# KiCad board NS32016-BC.kicad_pcb (continued)
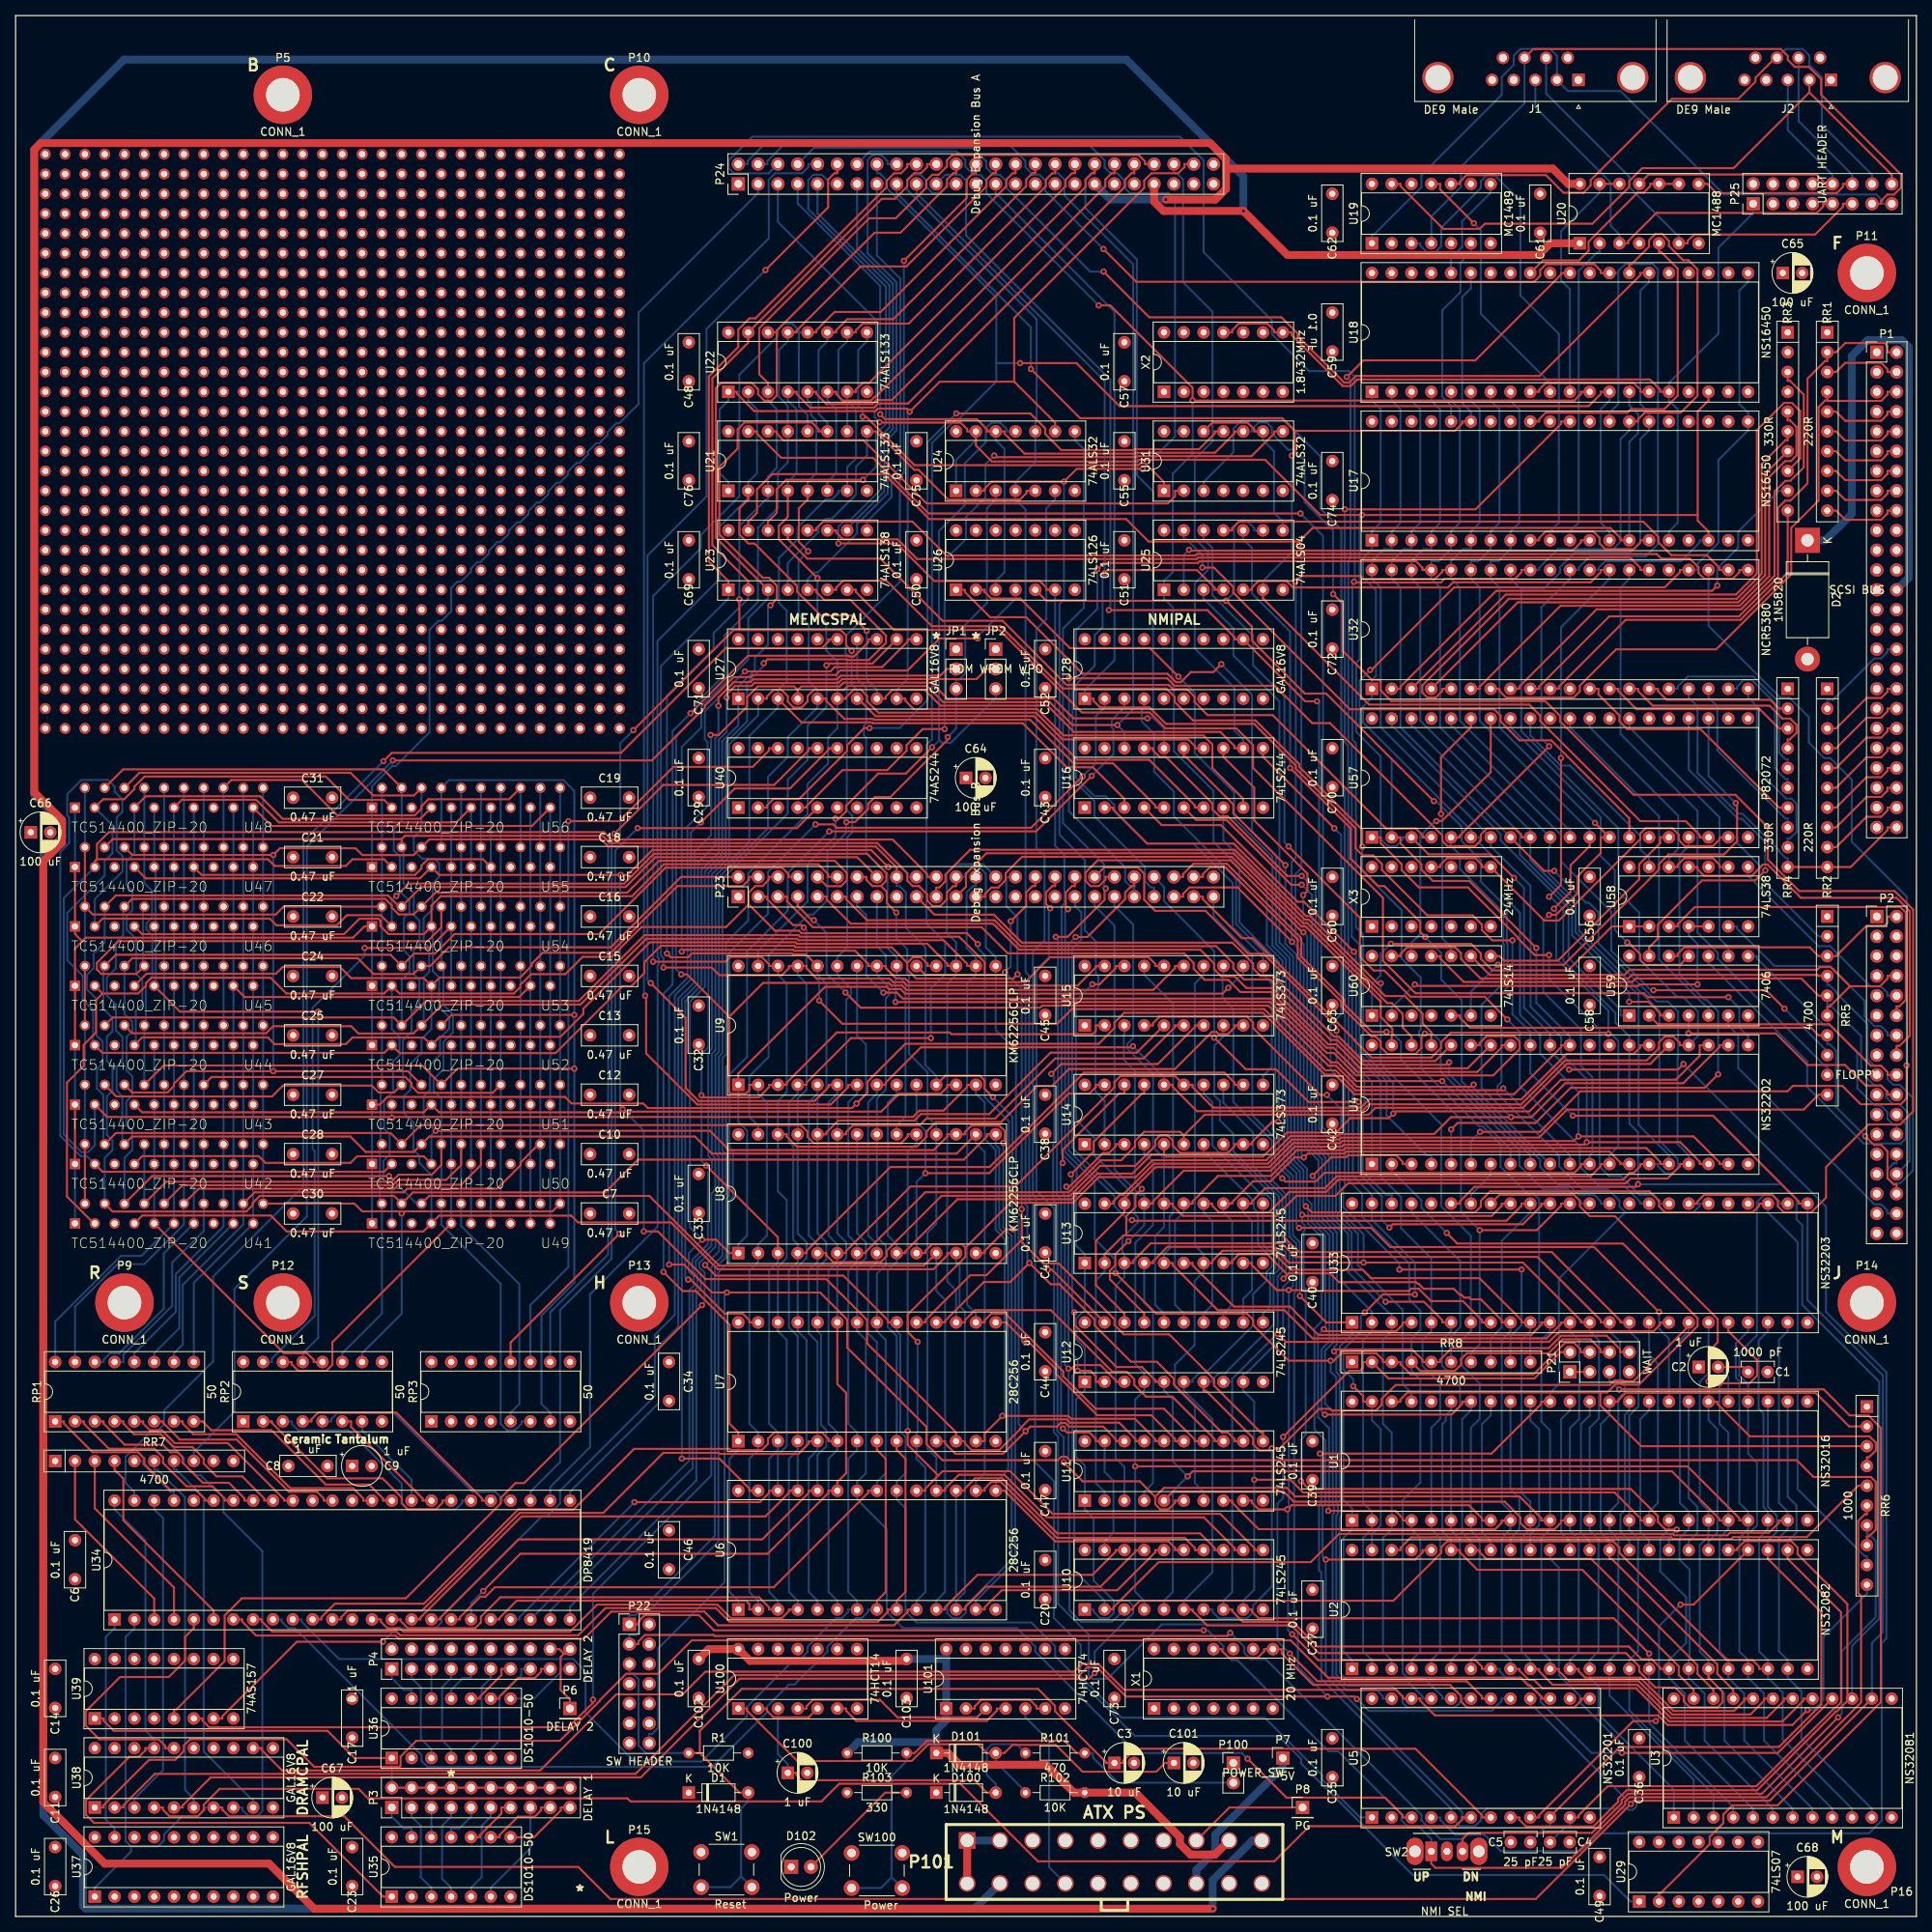
[diagram p0: board, top side]
## Routing (per net, layer and track width the routed paths; a pad name or vN(x,y) marks a point on that pad's centre or on a via; arc(x,y) is an arc through that point) (continued)
+adr<4>: length 437
  Top w0.25: U8.7 109.08,85.09 109.08,85.27 116.7,92.9 135.1,92.9 139.2,97 141.82,97 143.6,98.78 143.6,99.49 144.76,100.64 149.4,100.64 149.86,100.19 ; U14.6 149.86,100.19 ; 149.86,100.19 152.52,102.85 173.56,102.85 174.44,103.73 193.36,103.73 198.99,109.36 209.69,109.36 U4.25 ; v1(80.76,118.11) 80.88,117.99 80.88,110.71 87.44,104.15 104.58,104.15 106.82,106.4 106.82,106.68 U9.7
  Bottom w0.25: U34.10 36.69,38.1 36.69,37.82 41.48,33.02 71.52,33.02 73.12,31.42 73.12,26.16 79.41,19.87 88,19.87 93.84,25.71 93.84,26.9 99.81,32.87 100.54,32.87 101.6,33.93 101.6,34.62 105.23,38.24 105.98,38.24 106.82,39.09 106.82,39.37 U6.7 107.95,40.5 106.82,41.62 106.82,58.71 107.95,59.83 U7.7 107.95,62.09 106.82,63.21 106.82,82.84 107.95,83.96 U8.7 107.95,86.22 106.82,87.34 106.82,104.43 107.95,105.55 U9.7 ; P24.10 101.69,224.79 101.69,224.42 100.89,223.61 97.45,223.61 96.61,222.78 96.61,215.25 80.61,199.25 80.61,118.27 v1(80.76,118.11)
+adr<5>: length 420.1
  Top w0.25: U34.11 39.23,38.1 39.23,38.38 40.96,40.11 52.38,40.11 64.48,52.21 71.59,52.21 79.35,59.97 91.61,59.97 91.75,59.83 95.71,59.83 96.52,60.63 96.52,61.29 97.32,62.09 103.44,62.09 104.28,61.24 104.28,60.96 U7.6 ; U8.6 106.54,85.09 106.54,85.37 114.81,93.64 128.26,93.64 140.97,106.35 140.97,107.04 141.74,107.81 148.73,107.81 U14.15 150.99,106.68 150.99,106.4 153.63,103.75 172.58,103.75 173.65,104.82 193.16,104.82 198.97,110.63 207.58,110.63 208.42,111.48 208.42,111.76 U4.26 ; P24.12 105.41,223.61 105.04,223.61 104.23,222.81 104.23,219.24 v1(96.19,211.2) ; U9.6 104.28,106.68 104.28,106.4 102.49,104.6 87.63,104.6 85.95,106.28 85.95,115.25 v1(81.48,119.73)
  Bottom w0.25: U9.6 105.41,105.55 104.27,104.42 104.27,87.35 105.41,86.22 U8.6 105.41,83.96 104.28,82.84 104.28,63.21 105.41,62.09 U7.6 105.41,59.83 104.28,58.71 104.28,41.62 105.41,40.5 U6.6 ; v1(81.48,119.73) 81.06,120.15 81.06,174.58 88.64,182.16 88.64,203.64 v1(96.19,211.2)
+adr<6>: length 424
  Top w0.25: v1(161.98,101.94) 161.21,101.94 158.61,99.34 158.61,99.06 U14.9 156.35,99.06 156.35,98.78 155.51,97.93 149.39,97.93 148.45,98.88 148.45,99.53 147.79,100.19 146.81,100.19 146.19,99.57 146.19,98.85 143.63,96.28 141.5,96.28 139.12,96.28 135.28,92.45 118.79,92.45 111.76,85.42 111.76,84.7 110.99,83.93 104.87,83.93 104,84.81 104,85.09 U8.5 ; U34.12 41.77,38.1 41.77,38.38 42.61,39.23 52.13,39.23 64.67,51.76 75.38,51.76 83.08,59.46 90.19,59.46 90.32,59.33 100.4,59.33 101.74,60.68 101.74,60.96 U7.5 ; v1(138.94,206.66) 140.42,206.66 150.99,196.1 v1(150.99,194.47) 151,194.45 199.96,194.45 200.8,195.3 200.8,195.58 U18.12
  Bottom w0.25: P24.14 109.59,226.43 120.72,226.43 121.83,225.32 121.83,224.49 122.89,223.43 123.72,223.43 124.54,222.6 124.54,221.06 v1(138.94,206.66) ; U9.5 102.87,105.55 101.74,104.43 101.74,87.34 102.87,86.22 U8.5 102.87,83.96 101.74,82.84 101.74,74.79 102.87,73.66 U7.5 102.87,59.83 101.74,58.71 101.74,41.62 102.87,40.5 U6.5 ; v1(161.98,101.94) 162.06,102.02 162.06,122.43 157.01,127.48 157.01,134.5 153.67,137.84 153.67,144.38 148.59,149.46 148.59,157.79 148.39,157.99 148.39,162.66 148.45,162.72 148.45,167.92 147.32,169.05 U25.1 147.32,171.31 148.45,172.43 148.45,185.09 150.99,187.63 v1(150.99,194.47)
+adr<7>: length 442
  Top w0.25: U34.14 46.85,38.1 46.85,37.82 47.69,36.97 49.28,36.97 49.74,36.52 71.13,36.52 74.61,40 90.02,40 91.78,38.24 98.28,38.24 99.2,39.17 99.2,39.37 U6.4 ; v1(128.86,199.26) 136.09,199.26 141.61,193.74 201.79,193.74 203.34,195.3 203.34,195.58 U18.13 ; U9.4 101.46,106.68 101.46,106.96 107.16,112.67 v1(117.41,112.67) ; U14.12 156.35,106.68 156.35,106.96 155.06,108.26 137.06,108.26 124.94,96.13 112.22,96.13 101.46,85.37 101.46,85.09 U8.4
  Bottom w0.25: U17.13 204.47,177.66 203.34,178.78 203.34,193.33 204.47,194.45 U18.13 ; 125.81,199.26 v1(128.86,199.26) ; 125.81,199.26 125.81,196.91 120.98,192.08 120.63,192.08 117.55,189 117.55,150.98 116.85,150.28 116.85,127.38 119.24,124.99 119.24,120.85 117.41,119.02 v1(117.41,112.67) ; 125.81,199.26 125.81,207.66 111.67,221.8 111.67,222.81 110.86,223.61 110.49,223.61 P24.16 ; U9.4 100.33,105.55 99.2,104.42 99.2,99.38 99.76,98.81 99.76,86.78 100.33,86.22 U8.4 100.33,83.96 99.2,82.84 99.2,75.57 100.33,74.44 U7.4 100.33,59.83 99.2,58.71 99.2,41.62 100.33,40.5 U6.4
+adr<8>: length 337
  Top w0.25: U23.5 102.73,170.18 102.73,169.9 103.76,168.87 107.11,168.87 111.65,164.32 111.65,163.38 109.44,161.17 106.68,161.17 106.59,161.26 96.47,161.26 v1(95.97,160.76) ; v1(87.98,105.34) 88.26,105.06 95.33,105.06 96.66,106.4 96.66,106.68 U9.3 98.92,106.68 98.92,106.96 105.35,113.39 119.82,113.39 120.04,113.17 138.15,113.17 138.57,113.6 138.57,114.3 U15.2 ; U6.3 96.66,39.37 96.66,39.65 95.37,40.95 62.19,40.95 59.69,38.45 59.69,37.71 58.95,36.97 50.32,36.97 49.39,37.91 49.39,38.1 U34.15 ; U8.3 97.79,87.12 v1(88.59,96.33)
  Bottom w0.25: v1(88.59,96.33) 87.98,96.93 v1(87.98,105.34) 87.98,110.6 88.88,111.5 88.88,133.87 91.1,136.08 91.1,150.57 93.84,153.31 93.84,158.28 95.97,160.42 v1(95.97,160.76) ; U8.3 97.79,83.96 96.66,82.84 96.66,63.21 97.79,62.09 U7.3 97.79,59.83 96.66,58.71 96.66,41.62 97.79,40.5 U6.3 ; U23.5 101.6,171.54 102.46,172.4 102.91,172.4 107.95,177.44 107.95,178.62 111.88,182.55 111.88,189.5 113,190.62 113,209.63 109.3,213.32 109.3,225.31 109.97,225.97 111.04,225.97 111.85,225.16 111.85,224.79 P24.18
+adr<9>: length 307.3
  Top w0.25: P24.20 114.39,224.79 114.39,224.42 113.59,223.61 112.69,223.61 111.76,222.68 111.76,221.86 94.91,205 94.14,205 92.71,203.57 92.71,201.33 88.93,197.55 88.93,173.81 91.44,171.31 U23.1 ; v1(83.11,121.72) 89.31,121.72 90.29,120.75 98.31,120.75 99.2,121.64 99.2,121.92 U9.25 101.46,121.92 101.46,121.64 102.79,120.3 112.12,120.3 112.56,119.86 113.92,119.86 114.37,119.4 136.23,119.4 138.57,121.74 138.57,121.92 U15.19 ; U6.25 99.2,54.61 99.2,54.33 96.19,51.31 64.91,51.31 51.93,38.33 51.93,38.1 U34.16
  Bottom w0.25: U6.25 100.33,59.2 101.46,60.33 101.46,73.94 100.33,75.07 U7.25 100.33,83.33 101.46,84.46 101.46,86.49 100.33,87.63 U8.25 100.33,104.92 101.46,106.05 101.46,119.66 100.33,120.79 U9.25 ; U23.1 91.44,169.05 82.78,160.4 82.78,123.27 83.11,122.95 v1(83.11,121.72)
+adr<10>: length 319.1
  Top w0.25: U15.5 143.82,110.8 132.77,110.8 124.89,102.92 116.12,102.92 115.29,102.09 105.52,102.09 104,100.56 104,100.33 U8.24 ; U34.17 54.47,38.1 54.47,38.3 64.53,48.37 95.78,48.37 101.74,54.33 101.74,54.61 U6.24 ; U23.2 93.98,171.31 89.38,175.9 89.38,197.29 93.98,201.88 U22.15 111.12,220.34 112.8,220.34 114.39,221.93 114.39,222.75 115.26,223.61 116.13,223.61 116.93,224.42 116.93,224.79 P24.22 ; v1(83.55,123.52) 84.04,123.04 86.28,123.04 86.79,123.55 99.57,123.55 99.69,123.42 101.37,123.42 U9.24
  Bottom w0.25: U23.2 93.98,169.05 89.55,164.62 89.55,162.62 83.55,156.63 v1(83.55,123.52) ; U9.24 102.87,120.79 104.02,119.65 104.02,106.07 102.87,104.92 U8.24 102.87,87.63 104,86.5 104,84.27 102.87,83.15 U7.24 102.87,75.07 103.32,74.62 103.32,63.04 104,62.36 104,60.33 102.87,59.2 U6.24
+adr<11>: length 330
  Top w0.25: U23.3 89.83,176.87 89.83,196.07 90.49,196.72 94.44,196.72 95.25,195.91 95.25,195.25 96.05,194.45 96.99,194.45 97.65,195.1 97.65,203.2 ; U6.21 109.36,54.61 109.36,54.33 97.26,42.22 61.49,42.22 60.29,41.02 59.64,41.02 57.01,38.38 57.01,38.1 U34.18 ; P24.24 120.65,223.61 120.28,223.61 119.47,222.81 119.47,221.95 113.52,215.99 110.21,215.99 97.65,203.43 97.65,203.2 ; v1(85.46,123.77) 85.69,124 99.75,124 99.87,123.88 107.69,123.88 109.36,122.2 109.36,121.92 U9.21 111.62,121.92 111.62,121.7 113.01,120.31 114.1,120.31 114.56,119.85 129.53,119.85 132.72,123.05 145.35,123.05 146.19,122.2 146.19,121.92 U15.16 ; U22.14 97.65,203.2
  Bottom w0.25: U6.21 110.49,55.74 111.62,56.86 111.62,73.95 110.49,75.07 U7.21 110.49,82.47 111.63,83.61 111.63,86.04 110.49,87.18 U8.21 110.49,104.92 111.62,106.05 111.62,117.78 112.04,118.2 112.04,119.24 110.49,120.79 U9.21 ; v1(85.46,123.77) 85.46,150.01 87.96,152.52 87.96,155.21 93.98,161.23 93.98,166.51 96.52,169.05 U23.3
+adr<12>: length 346
  Top w0.25: P24.26 123.19,223.61 122.82,223.61 122.01,222.81 122.01,220.45 v1(113.95,212.39) ; U15.6 148.73,114.3 148.73,114.1 144.7,110.06 133.36,110.06 125.66,102.36 116.83,102.36 115.93,101.46 107.38,101.46 106.54,100.61 106.54,100.33 U8.23 ; v1(59.99,41.75) 64.76,46.52 96.48,46.52 104.28,54.33 104.28,54.61 U6.23 105.41,55.74 106.54,56.86 106.54,67.17 105.41,68.3 U7.23 ; U21.14 97.65,190.5 97.65,190.22 98.49,189.37 108.75,189.37 v1(113.43,184.69) 116.87,181.25 147.81,181.25 148.73,182.18 148.73,182.88 U31.2
  Bottom w0.25: v1(113.95,212.39) 113.95,185.21 v1(113.43,184.69) 113.43,171.21 106.55,164.33 106.55,162.82 106.47,162.73 106.47,162.02 106.64,161.85 106.64,141.91 107.34,141.21 107.34,139.08 106.68,138.42 106.68,124.32 105.41,123.05 U9.23 105.41,120.79 107.18,119.03 107.18,118.23 106.56,117.61 106.56,106.07 105.41,104.92 U8.23 105.41,87.63 106.54,86.49 106.54,84.46 105.41,83.33 U7.23 ; v1(59.99,41.75) 58.42,40.18 U34.19
+adr<13>: length 317.5
  Top w0.25: P24.28 125.73,223.61 125.36,223.61 124.55,222.81 124.55,221.95 114.27,211.66 108.4,211.66 100.19,203.44 100.19,203.2 U22.13 ; U6.2 94.12,39.37 94.12,40.07 93.7,40.5 64.28,40.5 62.09,38.3 62.09,38.1 U34.20 ; 91.55,115.42 91.55,105.77 91.77,105.55 93.7,105.55 94.12,105.98 94.12,106.68 U9.2 ; 91.55,115.42 95.89,119.75 112.03,119.75 112.38,119.41 113.73,119.41 114.28,118.86 145.95,118.86 148.73,121.64 148.73,121.92 U15.15 ; 91.55,115.42 86.13,120.85 v1(85.39,120.85)
  Bottom w0.25: U22.13 99.06,202.07 97.93,200.95 97.93,194.91 99.06,193.78 U21.13 99.06,186.52 97.79,185.25 97.79,180.68 95.24,178.12 95.24,168.62 90.97,164.35 90.97,159.3 87.3,155.64 87.3,154.05 84.73,151.47 84.73,121.5 v1(85.39,120.85) ; U9.2 95.25,105.55 96.38,104.43 96.38,87.34 95.25,86.22 U8.2 95.25,83.96 94.12,82.84 94.12,63.21 95.25,62.09 U7.2 95.25,59.83 94.12,58.71 94.12,41.62 95.25,40.5 U6.2
+adr<14>: length 338.8
  Top w0.25: U22.12 102.73,203.2 102.73,203.48 105.07,205.82 110.96,205.82 127.09,221.95 127.09,222.81 127.9,223.61 128.27,223.61 P24.30 ; v1(79.38,53.14) 95.48,53.14 96.66,54.33 96.66,54.61 U6.26 ; v1(81.78,122.47) 91.08,122.47 91.7,123.1 95.71,123.1 96.66,122.14 96.66,121.92 U9.26 ; U8.26 98.92,100.33 98.92,100.05 100.21,98.75 115.6,98.75 116.88,100.03 116.88,100.7 118.08,101.91 126.42,101.91 131.05,106.54 132.95,106.54 135.12,108.71 148.71,108.71 153.46,113.45 154.06,113.45 154.34,113.17 155.51,113.17 156.35,114.02 156.35,114.3 U15.9
  Bottom w0.25: U9.26 97.79,120.79 98.92,119.66 98.92,105.73 97.79,104.6 U8.26 97.79,93.01 98.92,91.88 98.92,84.46 97.79,83.33 U7.26 97.79,75.07 98.92,73.95 98.92,60.32 97.79,59.2 U6.26 ; 100.47,203.2 100.47,203.48 99.61,204.34 98.58,204.34 97.79,203.55 97.79,202.72 92.85,197.78 92.85,182.18 87.9,177.22 87.9,175.5 81.78,169.38 v1(81.78,122.47) ; 100.47,203.2 100.47,193.72 101.6,192.6 U21.12 ; 100.47,203.2 U22.12 ; v1(79.38,53.14) 64.63,38.38 64.63,38.1 U34.21
+adr<15>: length 336.4
  Top w0.25: U8.1 91.58,85.09 89.87,86.81 v1(88.08,86.81) ; U22.11 105.27,203.2 105.27,203.48 106.68,204.9 112.58,204.9 129.63,221.95 129.63,222.81 130.44,223.61 130.81,223.61 P24.32 ; v1(96.84,168.19) 97.65,169 97.65,170.72 96.65,171.72 95.86,171.72 90.28,177.29 90.28,185.94 92.63,188.29 92.63,190.76 93.51,191.64 102.15,191.64 103.01,190.78 103.01,190.5 U21.11 ; v1(155.56,119.12) 154.82,118.38 114.12,118.38 113.54,118.96 112.05,118.96 111.75,119.25 103.83,119.25 92.71,108.13 U9.1
  Bottom w0.25: U22.11 104.14,202.07 103.01,200.95 103.01,192.75 104.14,191.63 U21.11 ; U8.1 92.71,86.22 93.84,87.34 93.84,100.8 92.71,101.92 U9.1 ; v1(96.84,168.19) 96.52,167.88 96.52,163.13 94.83,161.44 94.83,159.91 92.71,157.79 U27.1 92.71,152.82 90.65,150.76 90.65,136.27 88.43,134.05 88.43,119.27 86.5,117.33 86.5,88.39 v1(88.08,86.81) 86.36,85.09 86.36,82.71 87,82.07 87,80.88 86.42,80.3 86.42,58.48 U34.22 ; v1(155.56,119.12) 157.24,120.79 157.48,120.79 U15.12
+adr<16>: length 312.9
  Top w0.25: P24.34 133.35,223.61 132.98,223.61 132.17,222.81 132.17,221.95 114.55,204.33 108.65,204.33 107.81,203.48 107.81,203.2 U22.10 ; v1(141.34,152.83) 135.58,152.83 132.65,155.77 118.99,155.77 116.94,157.82 106.72,157.82 106.23,157.34 102.37,157.34 101.6,156.56 101.6,155.85 100.81,155.06 99.82,155.06 99.06,155.82 99.06,156.54 98.26,157.34 97.22,157.34 96.38,156.49 96.38,156.21 U27.2
  Bottom w0.25: U16.18 142.24,151.93 v1(141.34,152.83) 143.37,154.86 143.37,211.94 134.53,220.78 134.53,222.81 133.72,223.61 133.35,223.61 P24.34 ; U27.2 95.25,154.08 91.55,150.38 91.55,135.9 89.33,133.68 89.33,111.31 88.86,110.84 88.86,97.52 89.31,97.07 89.31,96.02 88.81,95.52 88.81,86.23 86.82,84.24 86.82,82.89 87.45,82.26 87.45,80.69 86.87,80.12 86.87,57.52 68.58,39.23 U34.23 ; U22.10 106.68,202.07 105.55,200.95 105.55,194.91 106.68,193.78 U21.10
+adr<17>: length 269.6
  Top w0.25: U22.7 107.81,195.58 107.81,195.86 108.65,196.71 109.47,196.71 134.71,221.95 134.71,222.81 135.52,223.61 135.89,223.61 P24.36 ; U16.3 142.24,143.37 138.19,147.41 134.85,147.41 129.19,153.07 109.95,153.07 109.85,153.17 100.83,153.17 U27.3
  Bottom w0.25: U22.7 106.68,194.45 107.81,193.32 107.81,187.04 106.68,185.91 U21.7 105.55,182.88 105.55,182.6 104.71,181.75 103.9,181.75 100.33,178.19 100.33,176.67 97.93,174.27 97.93,168.5 98.92,167.51 98.92,158.46 97.79,157.34 U27.3 97.79,155.08 94.12,151.42 94.12,137.83 89.78,133.49 89.78,111.13 89.31,110.65 89.31,97.71 89.76,97.25 89.76,93.25 89.26,92.74 89.26,86.05 87.27,84.05 87.27,83.08 87.9,82.45 87.9,80.5 87.32,79.93 87.32,55.92 71.12,39.72 U34.24
+adr<18>: length 311.6
  Top w0.25: P24.38 138.43,223.61 138.06,223.61 137.25,222.81 137.25,221.87 110.36,194.98 110.25,194.98 109.73,194.45 106.11,194.45 105.27,195.3 105.27,195.58 U22.6 ; 100.33,157.34 100.78,157.79 105.72,157.79 106.21,158.27 117.47,158.27 119.52,156.22 133.17,156.22 135.7,153.69 v1(145.2,153.69) ; 100.33,157.34 99.88,157.79 95.2,157.79 93.84,156.42 93.84,155.2 90.19,151.56 v1(89.15,151.56) ; 100.33,157.34 U27.4
  Bottom w0.25: U34.25 71.12,54.47 82.5,65.85 82.5,73.14 85.01,75.65 85.01,117.76 87.08,119.83 87.08,136.55 89.21,138.68 89.21,151.5 v1(89.15,151.56) ; U21.6 104.14,184.01 105.27,185.13 105.27,193.33 104.14,194.45 U22.6 ; U16.16 147.32,152.37 145.92,153.77 ; v1(145.2,153.69) 145.28,153.77 145.92,153.77 ; 145.92,153.77 145.92,182.79 143.84,184.86 143.84,212.56 137.24,219.16 137.24,222.79 138.06,223.61 138.43,223.61 P24.38
+adr<19>: length 326.6
  Top w0.25: v1(88.05,78.41) 65.23,55.59 64.12,55.59 62.23,53.69 62.23,52.97 50.07,40.81 29.03,40.81 26.81,38.6 26.81,32.74 20.6,26.53 20.32,26.53 U39.5 ; v1(101.68,175.12) 100.47,176.32 100.47,180.63 101.6,181.75 U21.5 ; U22.5 102.73,195.58 102.73,195.3 104.02,194 109.92,194 110.44,194.53 112.41,194.53 139.79,221.92 139.79,222.81 140.6,223.61 140.97,223.61 P24.40 ; U16.5 146.19,142.24 146.19,142.52 140.79,147.92 135.72,147.92 130.12,153.52 110.13,153.52 110.04,153.62 106.3,153.62 104,155.93 104,156.21 U27.5
  Bottom w0.25: v1(101.68,175.12) 100.44,173.88 100.44,166.98 101.74,165.68 101.74,158.46 102.87,157.34 U27.5 102.87,155.08 99.06,151.27 99.06,148.73 96.52,146.19 96.52,139.59 90.23,133.31 90.23,110.94 89.78,110.48 89.78,97.88 90.21,97.44 90.21,93.06 89.78,92.62 89.78,85.9 87.72,83.84 87.72,83.27 88.4,82.59 88.4,78.76 v1(88.05,78.41) ; U21.5 101.6,184.01 102.73,185.13 102.73,191.91 102.05,192.58 102.05,194 101.6,194.45 U22.5
+adr<20>: length 350
  Top w0.25: U16.14 151.27,149.86 151.27,150.14 150.43,150.99 134.32,150.99 130.88,154.42 110.69,154.42 109.22,155.89 109.22,156.58 108.43,157.37 107.5,157.37 106.54,156.4 106.54,156.21 U27.6 ; v1(102.87,171.67) 97.91,176.63 97.91,178.38 99.06,179.53 U21.4 ; U22.4 100.19,195.58 100.19,195.3 101.93,193.55 110.1,193.55 110.63,194.08 114.48,194.08 142.33,221.93 142.33,222.81 143.14,223.61 143.51,223.61 P24.42 ; U39.6 23.99,25.4 23.99,25.12 24.84,24.26 70.92,24.26 74.07,27.42 v1(74.07,27.81)
  Bottom w0.25: v1(74.07,27.81) 74.07,41.4 89.25,56.57 89.25,83.32 90.68,84.75 90.68,92.25 91.12,92.69 91.12,97.81 90.68,98.25 90.68,110.11 91.13,110.57 91.13,124.91 93.98,127.76 93.98,133.81 101.6,141.43 101.6,145.26 104.23,147.89 104.23,151.24 105.41,152.42 U27.6 105.41,160.97 104,162.38 104,165.97 102.87,167.1 v1(102.87,171.67) ; U22.4 99.06,194.45 100.19,193.33 100.19,185.13 99.06,184.01 U21.4
+adr<21>: length 299.7
  Top w0.25: v1(79.25,152.17) 92.09,165.02 92.84,165.02 ; U22.3 96.52,196.71 95.39,197.83 95.39,203.74 109.5,217.84 112.9,217.84 116.84,221.78 116.84,222.68 117.58,223.43 118.41,223.43 119.47,224.49 119.47,225.28 120.16,225.97 144.07,225.97 144.87,225.16 144.87,224.79 P24.44 ; 92.84,165.02 v1(92.84,168.95) ; 92.84,165.02 105.84,165.02 106.54,164.33 106.54,163.06 v1(107.25,162.35) ; U16.7 151.27,142.24 151.27,142.52 145.42,148.37 136.22,148.37 130.62,153.97 110.32,153.97 108.08,156.21 U27.7
  Bottom w0.25: v1(107.25,162.35) 107.25,158.04 107.95,157.34 U27.7 ; v1(92.84,168.95) 92.84,178.36 96.24,181.75 96.52,181.75 U21.3 96.52,184.7 97.65,185.82 97.65,193.33 96.52,194.45 U22.3 ; v1(79.25,152.17) 77.57,150.5 77.57,138.58 76.46,137.47 76.46,84.39 69.85,77.78 69.85,58.28 66.04,54.47 U34.27
+adr<22>: length 324.2
  Top w0.25: U27.8 111.62,156.21 111.62,156.49 112.46,157.34 116.64,157.34 118.65,155.32 132.38,155.32 135.76,151.95 154.55,151.95 156.35,150.14 156.35,149.86 U16.12 ; U21.2 93.98,181.75 92.85,180.63 92.85,177.27 94.01,176.12 94.79,176.12 100.24,170.67 100.24,169.94 103.3,166.89 107.21,166.89 v1(109.18,164.92)
  Bottom w0.25: U27.8 110.49,157.34 109.18,158.65 v1(109.18,164.92) ; U16.12 157.48,150.99 156.35,152.11 156.35,157.58 151.26,162.67 151.26,171.02 152.97,172.73 152.97,175.06 151.26,176.77 151.26,186.95 153.54,189.23 153.54,205.85 149.77,209.63 149.77,222.81 148.96,223.61 148.59,223.61 P24.46 ; U34.26 68.58,55.08 73.69,60.18 73.69,79.81 82.36,88.48 82.36,122.01 82.52,122.17 82.52,122.9 82.33,123.08 82.33,163.59 90.31,171.57 90.31,178.28 93.79,181.75 93.98,181.75 U21.2 93.98,184.01 95.11,185.13 95.11,193.33 93.98,194.45 U22.2
+adr<23>: length 192.4
  Top w0.25: 128.1,196.88 118.55,196.88 v1(114.69,193.03) 114.29,193.43 110.62,193.43 110.3,193.1 94.76,193.1 92.57,195.3 92.57,195.58 U22.1 ; 128.1,196.88 128.1,205.07 144.78,221.75 144.78,222.68 145.71,223.61 149.15,223.61 149.95,224.42 149.95,224.79 P24.48 ; 128.1,196.88 133.35,191.63 U24.9 ; U16.9 157.48,143.37 153.53,147.32 153.53,150.35 152.38,151.5 134.44,151.5 131.07,154.87 115.21,154.87 114.16,155.93 114.16,156.21 U27.9
  Bottom w0.25: v1(114.69,193.03) 114.44,192.78 114.44,158.75 113.03,157.34 U27.9 ; U22.1 91.44,194.45 90.31,193.33 90.31,185.13 91.44,184.01 U21.1
+ads: length 25.6
  Top w0.25: U34.6 25.4,39.23 13.83,50.8 13.83,56.17 12.7,57.29 RR7.4
+cpu_a<16>: length 140.5
  Top w0.25: U16.2 140.83,142.24 140.83,141.96 145.16,137.62 156.25,137.62 165.54,128.33 166.08,128.33 174.7,119.71 v1(175.12,119.71)
  Bottom w0.25: U2.7 186.69,32.88 187.82,34 187.82,48.4 186.69,49.53 U1.7 186.69,62.69 187.82,63.83 187.82,68.35 185.53,70.64 185.53,73.91 186.69,75.07 U33.7 186.69,87.3 182.88,91.11 182.88,101.61 175.12,109.38 v1(175.12,119.71)
+cpu_a<17>: length 143.6
  Top w0.25: v1(164.98,133.48) 163.14,133.48 155.51,141.11 154.45,141.11 153.53,142.03 153.53,142.79 147.58,148.73 146.75,148.73 145.91,149.58 145.91,149.86 U16.17 ; v1(175.76,78.85) 180.65,78.85 183.02,76.48 183.02,76.2 U33.6
  Bottom w0.25: v1(164.98,133.48) 166.76,131.69 166.76,126.99 167.04,126.71 167.04,104.27 167.21,104.11 167.21,101.03 168.94,99.3 168.94,90.19 171.39,87.74 171.39,83.22 v1(175.76,78.85) ; U33.6 184.15,75.07 182.99,73.92 182.99,70.64 185.28,68.35 185.28,65.41 184.15,64.28 U1.6 184.15,49.53 185.28,48.4 185.28,34 184.15,32.88 U2.6
+cpu_a<18>: length 133.5
  Top w0.25: U16.4 147.02,140 154.61,140 164.45,130.16 165.28,130.16 v1(171.68,123.76)
  Bottom w0.25: U2.5 181.61,32.88 182.74,34 182.74,48.55 181.61,49.67 U1.5 181.61,62.69 182.74,63.83 182.74,68.36 180.48,70.63 180.48,73.94 181.61,75.07 U33.5 181.61,84.41 177.73,88.29 177.73,92.3 175.12,94.91 175.12,107.22 171.96,110.38 171.96,123.48 v1(171.68,123.76)
+cpu_a<19>: length 149.9
  Top w0.25: U1.4 177.94,50.8 177.94,51.08 177,52.03 v1(168.39,52.03) ; v1(167.83,75.33) 168.08,75.07 177.1,75.07 177.94,75.92 177.94,76.2 U33.4 ; v1(162.89,134.85) 156.21,141.53 156.21,142.67 150.14,148.73 149.86,148.73 U16.15
  Bottom w0.25: U1.4 179.07,49.67 180.2,48.55 180.2,34 179.07,32.88 U2.4 ; v1(162.89,134.85) 162.89,124.79 164.34,123.34 164.34,103.15 164.51,102.99 164.51,97.08 165.66,95.93 165.66,91.98 166.24,91.39 166.24,89.07 168.01,87.3 168.01,75.52 v1(167.83,75.33) 167.07,74.58 167.07,64.06 168.5,62.63 168.5,52.14 v1(168.39,52.03)
+cpu_a<20>: length 126.6
  Top w0.25: v1(164.98,132.35) 163.64,132.35 155.32,140.66 151.44,140.66 U16.6
  Bottom w0.25: v1(164.98,132.35) 166.31,131.02 166.31,126.8 166.59,126.52 166.59,104.09 166.76,103.92 166.76,99.26 168.49,97.53 168.49,90.01 170.94,87.56 170.94,82.64 176.26,77.33 176.53,77.33 U33.3 176.53,75.07 175.4,73.94 175.4,63.19 176.53,62.06 U1.3 176.53,49.67 175.4,48.55 175.4,34 176.53,32.88 U2.3
+cpu_a<21>: length 128.3
  Top w0.25: U16.13 154.94,148.73 158.89,144.78 158.89,140.6 165.71,133.78 165.71,131.55 v1(165.18,131.01)
  Bottom w0.25: v1(165.18,131.01) 165.18,127.3 166.14,126.34 166.14,103.9 166.31,103.73 166.31,99.08 168.04,97.34 168.04,89.82 170.04,87.82 170.04,81.54 173.99,77.59 U33.2 173.99,75.07 172.86,73.95 172.86,53.05 173.99,51.93 U1.2 173.99,49.67 172.86,48.55 172.86,34 173.99,32.88 U2.2
+cpu_a<22>: length 121.5
  Top w0.25: U33.1 168.15,76.2 v1(164.76,79.59)
  Bottom w0.25: v1(164.76,79.59) 164.76,86.48 163.85,87.39 163.85,94.98 162.7,96.13 162.7,102.24 162.51,102.44 162.51,122.62 160.51,124.61 160.51,132.43 154.94,138.01 U16.8 ; U33.1 171.45,74.7 169.87,73.12 169.87,70 170.32,69.55 170.32,53.45 171.45,52.33 U1.1 171.45,49.67 170.32,48.55 170.32,34 171.45,32.88 U2.1
+cpu_a<23>: length 120.3
  Top w0.25: U1.47 172.86,66.04 172.86,66.74 v1(171.59,68.01) ; v1(173.07,77.48) 175.38,79.78 v1(179.51,79.78) ; U16.11 160.02,148.73 v1(169.17,139.58)
  Bottom w0.25: v1(179.51,79.78) 179.51,83.86 173.99,89.38 U33.47 173.99,92.57 171.55,95 171.55,108.24 170.54,109.25 170.54,122.59 170.05,123.08 170.05,138.7 v1(169.17,139.58) ; v1(171.59,68.01) 171.59,68.92 170.32,70.19 170.32,72.71 172.58,74.96 172.58,76.98 v1(173.07,77.48) ; U2.47 173.99,49.04 175.12,50.16 175.12,62.51 173.99,63.64 U1.47
+cpu_ad<0>: length 233.8
  Top w0.25: U10.2 140.83,39.37 140.83,39.65 146.62,45.44 166.13,45.44 169.76,49.07 212.59,49.07 212.77,48.89 219.6,48.89 219.92,49.21 224.9,49.21 226.2,50.52 226.2,50.8 U1.23 ; U12.2 138.57,68.58 138.57,69.28 137.86,70 v1(136.25,70) ; v1(134.79,93.62) 135.19,93.62 139.5,97.93 140.27,97.93 141.11,98.78 141.11,99.06 U14.3
  Bottom w0.25: U10.2 139.7,40.5 135.81,44.39 135.81,58.55 135.58,58.78 135.58,69.34 v1(136.25,70) 136.25,71.43 135.06,72.62 135.06,93.36 v1(134.79,93.62) ; U33.23 227.33,75.07 226.2,73.95 226.2,53.05 227.33,51.93 U1.23 227.33,49.67 226.2,48.55 226.2,34 227.33,32.88 U2.23 227.33,30.62 229.09,28.87 229.09,22.86 238.12,13.83 U3.11
+cpu_ad<1>: length 252.4
  Top w0.25: v1(134.32,96.65) 134.32,98.34 141.54,105.55 142.24,105.55 U14.18 ; v1(135.06,70.27) 135.49,70.27 135.95,70.73 139.17,70.73 141.11,68.78 141.11,68.58 U12.3 ; U10.3 143.37,39.37 143.37,39.65 144.21,40.5 176.74,40.5 182.88,46.64 182.88,47.37 183.63,48.12 204.95,48.12 205.74,47.34 205.74,46.63 219.5,32.88 222.82,32.88 223.66,32.03 223.66,31.75 U2.22
  Bottom w0.25: U3.10 235.58,13.83 226.69,22.72 226.69,28.72 224.79,30.62 U2.22 224.79,32.88 223.66,34 223.66,48.55 224.79,49.67 U1.22 224.79,51.93 224.22,52.49 224.22,64.53 223.6,65.15 223.6,73.88 224.79,75.07 U33.22 ; U10.3 140.64,37.77 136.7,37.77 135.18,39.29 135.18,58.54 135.08,58.65 135.08,70.25 v1(135.06,70.27) 134.61,70.72 134.61,92.5 134.05,93.05 134.05,96.38 v1(134.32,96.65)
+cpu_ad<2>: length 214.4
  Top w0.25: v1(143.62,57.74) 214.47,57.74 221.12,51.08 221.12,50.8 U1.21
  Bottom w0.25: U3.9 233.04,13.83 224.29,22.57 224.29,28.58 222.25,30.62 U2.21 222.25,32.88 221.12,34 221.12,48.55 222.25,49.67 U1.21 222.25,51.93 221.12,53.05 221.12,68.66 220.67,69.11 220.67,73.5 222.25,75.07 U33.21 ; U14.4 144.78,97.93 145.91,96.81 145.91,88.68 143.65,86.42 143.65,70.84 144.78,69.71 U12.4 144.78,67.45 143.62,66.3 v1(143.62,57.74) 143.62,41.65 144.78,40.5 U10.4
+cpu_ad<3>: length 228.9
  Top w0.25: v1(218.58,68.4) 222.43,68.4 223.41,69.37 223.41,71.38 219.71,75.07 U33.20 ; v1(135.81,77.49) 135.81,75.88 141.21,70.48 144.5,70.48 146.19,68.78 146.19,68.58 U12.5 ; U14.17 144.78,105.55 144.5,105.55 138.29,99.34 138.29,98.1 v1(135.37,95.19) ; U1.20 218.58,50.8 218.58,50.98 212.47,57.1 151.01,57.1 v1(150.36,56.45)
  Bottom w0.25: v1(135.37,95.19) 135.54,95.02 135.54,77.76 v1(135.81,77.49) ; v1(218.58,68.4) 218.58,63.19 219.71,62.06 U1.20 219.71,49.67 218.58,48.55 218.58,34 219.71,32.88 U2.20 219.71,30.62 221.75,28.58 221.75,22.57 230.5,13.83 U3.8 ; U12.5 147.32,67.45 148.45,66.33 148.45,58.36 v1(150.36,56.45) 148.45,54.54 148.45,41.62 147.32,40.5 U10.5
+cpu_ad<4>: length 222.7
  Top w0.25: U2.19 217.17,30.62 218.98,28.82 218.98,27.47 218.32,26.81 214.77,26.81 213.99,27.59 213.99,28.26 212.88,29.37 210.33,29.37 208.28,31.42 208.28,32.07 206.58,33.78 167.21,33.78 163.65,37.33 152.85,37.33 150.99,39.19 150.99,39.37 U10.6